# Altium PCB PCB1_backup1.PcbDoc (part 2 of 2)
Units mil, origin at the board's own origin, x right, y up, seen from the top; angles counter-clockwise.
Board outline 1500 x 3220 mil, 4 copper layers (Top Layer, Int1 (GND), Int2 (GND), Bottom Layer), stack 53.912 mil thick; 81 components, 45 nets, 261 pads, 80 vias.
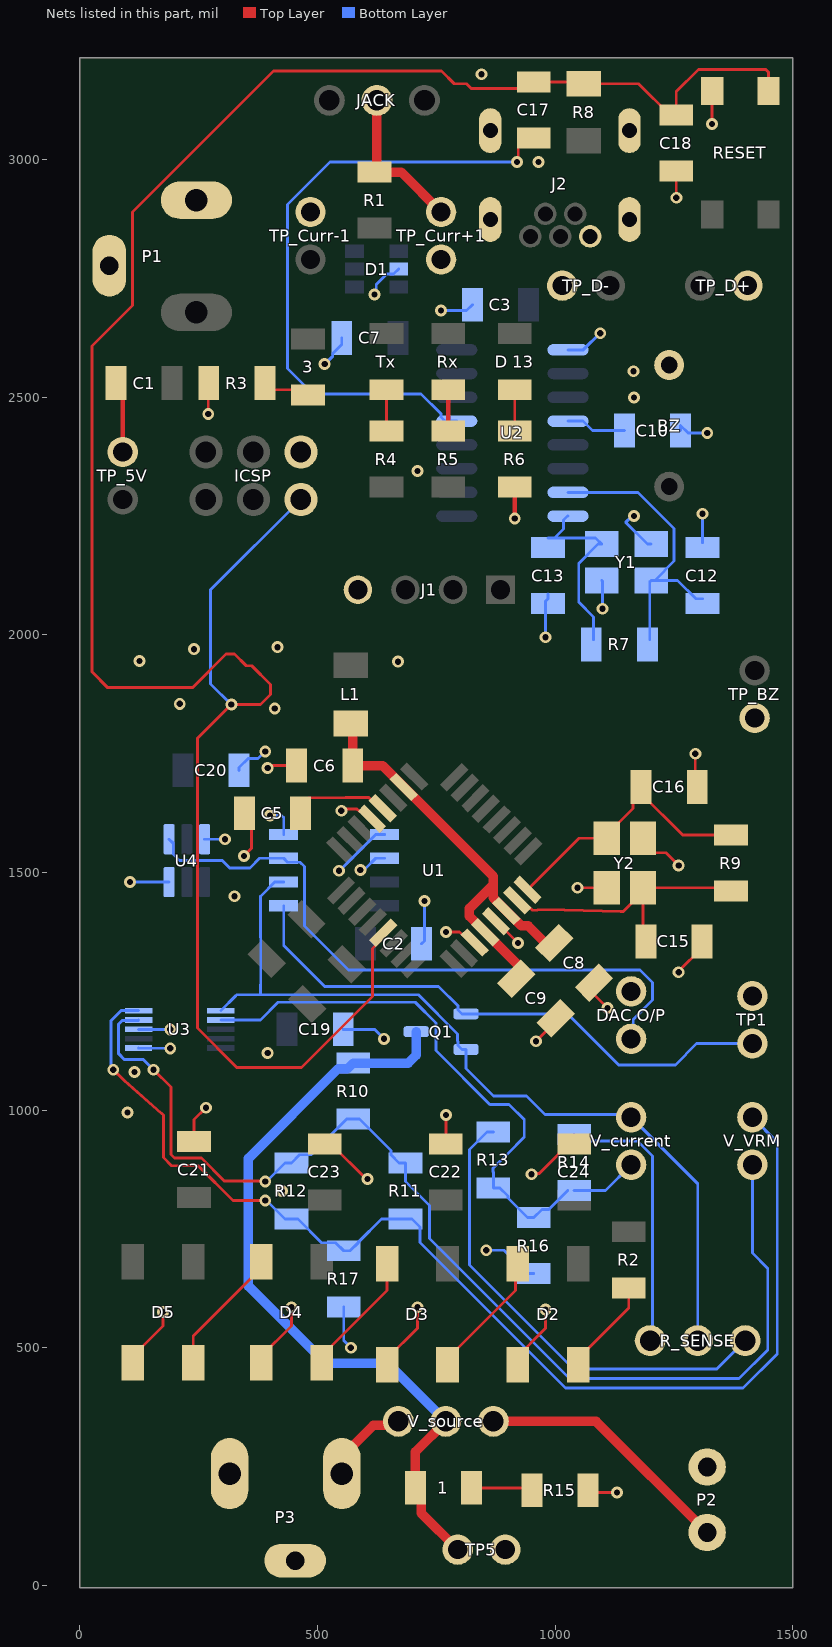
[diagram p4: the nets of this part, all layers, seen from the top]

## Via types
v1: diameter 25, hole 13, Top Layer to Bottom Layer, 80 vias

## Nets (pads, with @x,y where several pads share a name; then routed paths per layer and width w, separated by ;. In a path a pad name is that pad's centre, name@x,y a point inside that pad or via, vN(x,y) a via of type N, cw(c..) or ccw(c..) an arc to the next point about the centre after c; other vN are vias at no path point) (continued)
GND: "DAC O/P.2" ?.4 ?.5 ?.6 BZ.1 C1.1 C2.2 C3.1 C5.2 C6.1 C7.2 C8.1 C9.1 C10.2 C12.1 C13.1 C15.1 C16.1 C18.1 C19.2 C20.2 C21.2 C22.2 C23.2 C24.2 D1.2 D2.3 D3.3 D4.3 D5.3 ICSP.6 J1.04 J2.5 J2.6 J2.7 J2.8 J2.9 P1.2 P1.3 P2.2 P3.2 P3.3 R3.1 R6.1 R15.1 R16.1 R17.2 RESET.2 TP1.2 TP5.2 TP_5V.2 TP_BZ.1 TP_Curr+1.1 TP_Curr-1.2 TP_D+.2 TP_D-.2 U1.3 U1.5 U1.21 U2.1 U3.1 U3.3 U4.3 U4.6 Y1.2 Y1.4 Y2.2 Y2.4 | length 3936.9
  Top Layer w6: D5.3@111.5,468.7 111.5,482.35 175,545.85 v1(175,575) ; C21.2@240,934 240,980 v1(265,1005) ; v1(270,2465) 270,2529 R3.1@271,2530 ; v1(345,1535) 360.93,1550.93 360.93,1594.5 345.35,1610.07 C5.2@345.07,1610.07 ; C5.2@346,1611.5 C5.2@346,1625 ; D4.3@381.5,468.7 381.5,482.35 445,545.85 v1(445,585) ; v1(395,1720) 399.06,1720 404.06,1725 C6.1@456,1725 ; C23.2@515,929 528.5,929 602.5,855 v1(605,855) ; v1(550,1630) 553.64,1633.64 570.78,1633.64 571.1,1633.95 582.1,1633.95 588.74,1628.73 U1.21@614.54,1612.84 ; D3.3@646.5,463.7 646.5,477.35 710,540.85 v1(710,585) ; C22.2@770,929 v1(770,990) ; v1(770,1375) 798.63,1375 805.12,1368.51 809.01,1372.4 U1.3@830.92,1352.62 ; U1.5@875.46,1397.16 876.17,1397.16 v1(921.67,1351.67) ; D2.3@916.5,463.7 916.5,477.35 980,540.85 v1(980,580) ; v1(950,865) 951.7,866.7 966.7,866.7 1007.5,907.5 1007.5,910 1026.5,929 C24.2@1040,929 ; v1(960,1145) 1001.72,1186.72 C9.1@1001.72,1193.28 ; v1(1047.09,1468.03) Y2.4@1108.78,1468.03 ; R15.1@1070,199 1074,195 v1(1130,195) ; C8.1@1081.72,1268.28 1072.17,1258.73 1072.17,1252.83 v1(1110,1215) ; Y2.2@1185.16,1571.97 1185.16,1564.09 1207.72,1541.54 1233.46,1541.54 v1(1260,1515) ; v1(1255,2920) C18.1@1255,2976 ; v1@1260,1292.5 C15.1@1309,1341.5 ; v1(1295,1750) 1295,1697.5 C16.1@1299,1693.5 ; v1(1330,3075) 1330,3143.98 RESET.2@1330.94,3144.92
  Top Layer w10: P1.3@60.96,2776.24 P1.3@61.93,2777.2 ; C1.1@76,2530 90,2516 TP_5V.2@90,2385 ; v1(915,2245) R6.1@915,2311 ; R15.1@1069,200 R15.1@1070,199 ; v1(1260,1290) v1@1260,1292.5 ; C16.1@1299,1680 C16.1@1299,1693.5 ; C15.1@1309,1341.5 C15.1@1309,1355
  Bottom Layer w6: v1(105,1480) 187.52,1480 U4.6@187.6,1479.92 ; U3.1@123.39,1130.63 123.7,1130.32 189.68,1130.32 v1(190,1130) ; U3.3@123.39,1170 v1(190,1170) ; U4.3@262.4,1570.08 262.48,1570 v1(305,1570) ; C20.2@335,1715 335,1720.8 354,1739.8 374.8,1739.8 v1(390,1755) ; v1(400,1620) 424.36,1620 428.7,1615.66 ?.4@428.7,1580 ; v1(515,2570) 515.59,2570 532,2586.41 532,2592.5 551,2611.5 C7.2@551,2625 ; v1(544.84,1503.64) 546.23,1503.64 622.6,1580 ?.5@641.3,1580 ; C19.2@554,1170 620,1170 v1(640,1150) ; R17.2@555,586 555,515.41 570,500.41 v1(570,500) ; v1(590,1505) 593.64,1508.64 601.23,1508.64 622.6,1530 ?.6@641.3,1530 ; v1(620,2716.76) 623.64,2720.4 623.64,2737.32 645.7,2759.38 660.15,2759.38 D1.2@670.77,2770 ; C2.2@719,1350 725,1356 v1(725,1440) ; v1(760,2682.47) 813.47,2682.47 C3.1@826,2695 ; v1(855,705) 892.5,705 941.5,656 R16.1@955,656 ; v1(980,1995) 980,2071 985,2076 C13.1@985,2086 ; U2.1@1027,2600 1059.15,2600 1094.15,2635 v1(1095,2635) ; v1@1096.7,2057.87 1096.7,2060.36 v1@1096.7,2060.8 ; Y1.2@1098.03,2114.84 1100,2112.87 v1(1100,2055) ; v1(1166,2250) 1161.64,2250 1148.64,2236.99 1148.64,2236.68 1194.09,2191.22 Y1.4@1201.97,2191.22 ; C10.2@1264,2430 1264,2441 1280,2425 v1(1320,2425) ; C12.1@1310,2194 v1(1310,2255)
  other v1: 425,830 100,995 115,1080 395,1120 325,1450 410,1845 210,1855 669.35,1943.7 125,1945 240,1970 415.78,1974.22 710,2345 1166,2500 1165,2555 965,2995 845,3180
Net1_2: 1.2 R15.2 | length 129.1
  Top Layer w6: 1.2@824,205 946,205 R15.2@951,200
Net3_2: 3.2 R3.2 | length 126.8
  Top Layer w6: R3.2@403,2516 3.2@510,2516
  Top Layer w10: R3.2@389,2530 R3.2@403,2516
Net_1: ?.1 Q1.1 TP1.1 | length 1167.7
  Bottom Layer w6: ?.1@428.7,1430 428.7,1346.3 515,1260 754.76,1260 795.26,1219.5 795.26,1210.8 803.66,1202.4 1026.59,1202.4 1133.88,1095.11 1252.94,1095.11 1297.83,1140 TP1.1@1385,1140
Net_3: "DAC O/P.1" ?.3 U4.1 | length 1382.8
  Bottom Layer w6: U4.1@187.6,1570.08 196.21,1561.46 196.21,1538.88 209.7,1525.39 299.32,1525.39 315.21,1509.5 357.56,1509.5 378.06,1530 ?.3@428.7,1530 437.08,1521.62 463.38,1521.62 472.21,1512.79 472.21,1387.79 565,1295 1178.48,1295 1204.89,1268.59 1204.89,1231.41 1164.37,1190.89 1164.37,1154.37 1160,1150
NetC5_1: C5.1 U1.20 | length 201.1
  Top Layer w6: C5.1@464,1625 483,1657.5 559.36,1657.87 607.68,1657.87 630.09,1635.46 U1.20@637.16,1635.46
NetC6_2: C6.2 C8.2 C9.2 L1.2 U1.4 U1.6 U1.18 | length 961.2
  Top Layer w20: L1.2@570,1813.5 574,1809.5 C6.2@574,1725 636.72,1725 869.97,1491.75 869.97,1474.97 ; C9.2@918.28,1276.72 925.98,1284.42 925.98,1301.39 819.47,1407.9 819.47,1424.47 869.97,1474.97 ; C8.2@993.28,1341.72 989.24,1341.72 943.46,1387.5 928.97,1387.5 U1.6@897.38,1419.08 869.97,1446.49 869.97,1474.97
NetC10_1: C10.1 U2.4 | length 127.3
  Bottom Layer w6: U2.4@1027,2450 1058.31,2450 1078.31,2430 C10.1@1146,2430
NetC12_2: C12.2 R7.1 U2.7 Y1.1 | length 631.1
  Bottom Layer w6: U2.7@1027,2300 1174.57,2300 1250.4,2224.16 1250.4,2155.4 Y1.1@1209.84,2114.84 ; R7.1@1199,1990 1199,2111.87 Y1.1@1201.97,2114.84 Y1.1@1209.84,2114.84 ; C12.2@1310,2076 1296.5,2076 1257.66,2114.84 Y1.1@1209.84,2114.84
NetC13_2: C13.2 R7.2 U2.8 Y1.3 | length 415.7
  Bottom Layer w6: C13.2@985,2204 C13.2@998.5,2204 ; U2.8@1027,2250 1025.81,2250 1017.5,2241.69 1017.5,2223 C13.2@998.5,2204 ; R7.2@1081,1990 1081,2037.94 1049.6,2069.34 1049.6,2150.66 1090.16,2191.22 Y1.3@1098.03,2191.22 1085.25,2204 C13.2@998.5,2204
NetC15_2: C15.2 R9.1 U1.7 Y2.1 | length 592.4
  Top Layer w6: U1.7@920.01,1441.71 945.81,1425.82 952.44,1420.59 959.51,1420.59 cw(c966.39,1396.04) 966.54,1421.54 1019.84,1421.38 1137.63,1417.6 1142.6,1417.6 1144.36,1419.36 Y2.1@1185.16,1460.16 ; C15.2@1191,1355 1185.16,1360.84 Y2.1@1185.16,1460.16 ; R9.1@1370,1461 1362.97,1468.03 Y2.1@1185.16,1468.03 Y2.1@1185.16,1460.16
NetC16_2: C16.2 R9.2 U1.8 Y2.3 | length 588.4
  Top Layer w6: U1.8@941.93,1463.63 1050.27,1571.97 Y2.3@1108.78,1571.97 1108.78,1579.84 1164,1635.06 1164,1663 C16.2@1181,1680 1181,1666.5 1268.5,1579 R9.2@1370,1579
NetD2_2: D2.2 D3.4 | length 271.8
  Top Layer w6: D3.4@773.5,463.7 773.5,477.35 916.5,620.35 D2.2@916.5,676.3
NetD2_4: D2.4 R2.1 | length 206.4
  Top Layer w6: D2.4@1048.5,463.7 1048.5,477.35 1155,583.85 R2.1@1155,626
NetD3_2: D3.2 D4.4 | length 264.8
  Top Layer w6: D4.4@508.5,468.7 508.5,482.35 646.5,620.35 D3.2@646.5,676.3
NetD4_2: D4.2 D5.4 | length 271.8
  Top Layer w6: D5.4@238.5,468.7 238.5,524.65 381.5,667.65 D4.2@381.5,681.3
NetLED1_2: "D 13.2" R6.2 | length 87
  Top Layer w6: R6.2@915,2429 915,2516
NetP2_1: P2.1 V_source.1 | length 546.9
  Top Layer w20: V_source.1@870,345 1086.1,345 P2.1@1320,111.1
NetP3_1: P3.1 V_source.3 | length 185.1
  Top Layer w20: P3.1@551.22,235 551.22,270.43 617.18,336.4 661.4,336.4 V_source.3@670,345
NetR1_2: JACK.2 R1.2 TP_Curr+1.2 | length 327.9
  Top Layer w20: JACK.2@625,3125 625,2979 R1.2@620,2974 676,2974 TP_Curr+1.2@760,2890
NetR4_2: R4.2 Tx.1 | length 87
  Top Layer w6: R4.2@645,2429 Tx.1@645,2516
NetR5_2: R5.2 Rx.1 | length 87
  Top Layer w10: R5.2@775,2429 Rx.1@775,2516
NetR13_2: R13.2 R_SENSE.3 | length 1005
  Bottom Layer w6: R13.2@870,954 856.5,954 819.5,917 819.5,673.78 1038.28,455 1340,455 R_SENSE.3@1400,515
NetR14_1: R14.1 R_SENSE.1 | length 574.3
  Bottom Layer w6: R14.1@1040,949 1054,935 1173.48,935 1204.89,903.59 1204.89,519.89 R_SENSE.1@1200,515
RESET_CH340: C17.1 U2.13 | length 1344.5
  Top Layer w6: v1(920,2995) 922.5,2997.5 922.5,3027 941.5,3046 C17.1@955,3046
  Bottom Layer w6: U2.13@793,2450 767.81,2450 759.5,2458.31 759.5,2465.5 718,2507 490.47,2507 437,2560.47 437,2905.48 526.52,2995 v1(920,2995)
RESET_PIN: C17.2 C18.2 ICSP.3 R8.1 RESET.4 U1.29 | length 5028.6
  Top Layer w6: U1.29@638.53,1373.17 638.53,1363.27 615.38,1340.12 615.38,1239.32 466.06,1090 330,1090 247.5,1172.5 247.5,1782.5 v1(318.5,1853.5) 380.06,1853.5 401,1874.44 401,1895.56 361.56,1935 350,1935 325.25,1959.75 307.38,1959.75 236.63,1889 58.37,1889 25,1922.37 25,2608.13 110.36,2693.49 110.36,2889.86 406.98,3186.48 761.15,3186.48 787.63,3160 813.36,3160 823.36,3150 941,3150 C17.2@955,3164 1056.04,3164 R8.1@1060,3160.04 1175.46,3160.04 1241.5,3094 C18.2@1255,3094 1255,3143.34 1301.66,3190 1443.2,3190 1449.06,3184.14 RESET.4@1449.06,3144.92
  Bottom Layer w6: v1(318.5,1853.5) 275,1897 275,2095 ICSP.3@465,2285
V_curr+: ?.2 Q1.2 R_SENSE.2 U3.6 V_current.2 | length 1817.4
  Bottom Layer w6: U3.6@296.61,1209.37 327.89,1240.64 329.48,1242.24 339.12,1242.89 380,1242.89 ; ?.2@428.7,1480 410,1480 381.76,1451.76 380,1450 380,1445.03 380.5,1280.08 cw(c355,1280) 380.5,1279.55 380,1251.37 380,1242.89 ; R_SENSE.2@1300,515 1300,845 V_current.2@1160,985 1154,991 979,991 940,1030 870,1030 812.36,1087.64 Q1.2@812.36,1127.6 803.66,1127.6 795.26,1136 795.26,1144.7 794.76,1145.2 794.76,1160.24 712.11,1242.89 380,1242.89
V_curr-: R13.1 R14.2 R16.2 U3.7 V_current.1 | length 1311.8
  Bottom Layer w6: U3.7@296.61,1189.68 379.68,1189.68 416.89,1226.89 705.49,1226.89 749,1183.37 749,1125.54 862.54,1012 903,1012 935,980 935,943.12 900.72,908.84 869.5,877.62 869.5,869.94 870,869.44 R13.1@870,836 883.5,836 900.5,819 900.5,815 941.5,774 R16.2@955,774 972,791 986.5,791 R14.2@1026.5,831 ; R14.2@1040,831 1106,831 V_current.1@1160,885
V_Source: 1.1 Q1.3 R10.2 TP5.1 V_source.2 | length 1628
  Top Layer w20: V_source.2@770,345 706,281 1.1@706,205 718,193 718,152 TP5.1@795,75
  Bottom Layer w20: Q1.3@707.64,1165 707.64,1115.83 690.8,1099 R10.2@575,1099 563,1087 543.04,1087 354.5,898.46 354.5,629.54 516.54,467.5 647.5,467.5 V_source.2@770,345
V_VRM+: R10.1 R11.2 R12.2 U3.4 V_VRM.1 | length 2446.2
  Top Layer w6: v1(155,1085) 191.5,1048.5 191.5,938.65 191.5,906.62 199.12,899 231.15,899 255.51,899 303.51,851 389,851 v1(390,850)
  Bottom Layer w6: U3.4@123.39,1189.68 122.61,1188.91 89.06,1188.91 81.45,1181.29 81.45,1118.55 93.16,1106.84 133.16,1106.84 v1(155,1085) ; v1(390,850) 392.5,850 431.5,889 R12.2@445,889 462,906 486.5,906 561.5,981 R10.1@575,981 588.5,981 654.5,915 654.5,906 671.5,889 R11.2@685,889 685,849.71 735.5,799.21 735.5,729.5 1030,435 1387.15,435 1447.48,495.33 1447.48,666.65 1415,699.13 V_VRM.1@1415,885
V_VRM-: R11.1 R12.1 R17.1 U3.5 V_VRM.2 | length 2521.2
  Top Layer w6: v1(70,1085) 92.08,1063.19 ccw(c110,1081.34) 93.18,1062.17 171.95,993.03 172.23,992.77 175.5,989.5 175.5,899.99 192.49,883 224.53,883 248.88,883 321.88,810 v1(390,810)
  Bottom Layer w6: v1(70,1085) 70,1090.14 65.45,1094.69 65.45,1187.92 86.9,1209.37 U3.5@123.39,1209.37 ; v1(390,810) 392.5,810 431.5,771 R12.1@445,771 458.5,771 508.5,721 538,721 R17.1@555,704 568.5,704 585.5,721 585.5,722 634.5,771 R11.1@685,771 698.5,771 715.5,754 715.5,721.22 1021.72,415 1395.43,415 1467.48,487.05 1467.48,932.52 V_VRM.2@1415,985
pads on no net: ?.7 D1.4 D1.6 D5.2 J2.4 RESET.1 RESET.3 U1.2 U1.9 U1.10 U1.11 U1.12 U1.13 U1.14 U1.19 U1.22 U1.23 U1.24 U1.25 U1.26 U2.9 U2.10 U2.11 U2.12 U2.14 U2.15 U3.2

## Polygon pours and split planes (outlines as drawn)
GND on Int1 (GND) "GND_L02_P001" (solid, pour order 1): 0,3215 1500,3215 1500,-5 0,-5
GND on Int2 (GND) "GND_L03_P002" (solid, pour order 2): 0,3215 0,-5 1500,-5 1500,3215

## Keep-outs
Keep-Out Layer:
  lines w20: 0,-5 1500,-5 ; 0,-5 0,3215 ; 0.01,-5 1500,-5 ; 0.01,-5 0.01,3215 ; 0,3215 1500,3215 ; 0.01,3215 1500,3215 ; 1500,-5 1500,3215 ; 1500,-5 1500,3215

## Other copper
Top Layer:
  region: 1037.07,1754.33 1037.07,1754.58 1037.33,1754.58 1037.33,1754.33
  region: 931.12,1813.95 931.12,1813.7 930.87,1813.7 930.87,1813.95 930.62,1813.95 930.62,1814.2 931.12,1814.2
  region: 1029.56,1743.81 1029.31,1743.81 1029.31,1744.06 1029.56,1744.06
  region: 1039.08,1757.09 1039.08,1757.34 1039.33,1757.34 1039.33,1756.59 1038.83,1756.59 1038.83,1757.09
  region: 1010.02,1751.33 1010.02,1751.58 1010.27,1751.58 1010.27,1751.08 1010.02,1751.08
  region: 951.41,1815.95 951.41,1816.2 951.66,1816.2 951.66,1815.95
  region: 940.14,1831.48 939.89,1831.48 939.89,1831.73 940.14,1831.73
  region: 910.09,1801.67 910.34,1801.67 910.34,1801.92 910.59,1801.92 910.59,1801.42 910.84,1801.42 910.84,1801.17 910.34,1801.17 910.34,1801.42 910.09,1801.42
  region: 935.88,1787.9 935.38,1787.9 935.38,1788.4 935.63,1788.4 935.63,1788.65 936.13,1788.65 936.13,1788.15 935.88,1788.15
  region: 1038.33,1755.84 1038.33,1755.59 1038.08,1755.59 1038.08,1755.84
  region: 911.59,1799.92 911.59,1799.17 911.34,1799.17 911.34,1799.42 911.09,1799.42 911.09,1799.92 911.34,1799.92
  region: 925.86,1814.45 925.86,1814.2 925.36,1814.2 925.36,1814.7 925.61,1814.7 925.61,1814.95 926.12,1814.95 926.12,1814.45
  region: 931.88,1812.69 931.88,1812.94 931.38,1812.94 931.38,1813.19 932.13,1813.19 932.13,1812.69
  region: 919.85,1829.48 920.86,1829.48 920.86,1828.97 920.6,1828.97 920.6,1828.72 920.1,1828.72 920.1,1828.97 919.85,1828.97 919.85,1829.22
  region: 951.16,1800.17 951.41,1800.17 951.41,1799.92 951.16,1799.92
  region: 1034.07,1749.32 1033.82,1749.32 1033.82,1749.57 1034.07,1749.57
  region: 1009.02,1750.58 1009.52,1750.58 1009.52,1750.33 1009.02,1750.33
  region: 933.63,1813.7 933.63,1813.95 934.13,1813.95 934.13,1813.45 933.88,1813.45 933.88,1813.19 933.63,1813.19 933.63,1813.45
  region: 948.66,1822.71 948.66,1822.96 948.91,1822.96 948.91,1822.46 948.66,1822.46
  region: 933.88,1775.62 933.88,1774.87 933.63,1774.87 933.63,1775.62
  region: 930.62,1785.64 929.87,1785.64 929.87,1785.89 929.62,1785.89 929.62,1786.14 930.87,1786.14 930.87,1785.64
  region: 1003.76,1750.83 1003.76,1750.58 1003.51,1750.58 1003.51,1750.83
  region: 932.13,1785.14 932.63,1785.14 932.63,1785.39 932.88,1785.39 932.88,1784.89 932.13,1784.89
  region: 912.84,1799.42 912.59,1799.42 912.59,1800.17 912.84,1800.17 912.84,1799.67
  region: 929.37,1814.45 929.37,1814.7 929.87,1814.7 929.87,1814.45 929.62,1814.45
  region: 1022.05,1747.57 1022.55,1747.57 1022.55,1747.32 1022.05,1747.32
  region: 933.38,1785.39 932.88,1785.39 932.88,1785.64 933.38,1785.64
  region: 1031.31,1759.84 1031.06,1759.84 1031.06,1760.6 1031.31,1760.6 1031.31,1760.09
  region: 933.38,1785.64 933.38,1786.14 933.63,1786.14 933.63,1786.39 934.13,1786.39 934.13,1785.89 933.88,1785.89 933.88,1785.64 933.63,1785.64
  region: 942.9,1809.69 942.9,1809.94 943.15,1809.94 943.15,1809.44 942.65,1809.44 942.65,1809.69
  region: 935.38,1816.45 935.38,1816.7 935.63,1816.7 935.63,1816.95 935.88,1816.95 935.88,1816.45 935.63,1816.45
  region: 1042.33,1762.1 1042.33,1761.6 1042.08,1761.6 1042.08,1762.1
  region: 1008.77,1748.82 1008.77,1749.07 1009.02,1749.07 1009.02,1748.82
  region: 935.38,1770.11 935.38,1769.61 934.88,1769.61 934.88,1769.86 934.63,1769.86 934.63,1770.61 935.38,1770.61 935.38,1770.36
  region: 1029.56,1757.09 1029.56,1756.84 1029.31,1756.84 1029.31,1756.59 1029.06,1756.59 1029.06,1757.09 1029.31,1757.09 1029.31,1757.34 1029.81,1757.34 1029.81,1757.09
  region: 1010.77,1750.83 1011.28,1750.83 1011.28,1750.33 1010.77,1750.33 1010.77,1750.58
  region: 942.65,1827.97 942.65,1828.22 943.15,1828.22 943.15,1827.72 942.65,1827.72
  region: 932.38,1786.64 932.63,1786.64 932.63,1786.14 932.13,1786.14 932.13,1786.64
  region: 950.16,1799.42 949.91,1799.42 949.91,1799.67 950.16,1799.67
  region: 911.59,1800.92 911.34,1800.92 911.34,1800.67 910.84,1800.67 910.84,1801.17 911.34,1801.17 911.34,1801.42 912.09,1801.42 912.09,1801.17 912.34,1801.17 912.34,1800.42 911.84,1800.42 911.84,1800.67 911.59,1800.67
  region: 936.64,1820.21 936.64,1819.46 936.13,1819.46 936.13,1820.46 936.64,1820.46
  region: 1039.83,1758.09 1039.83,1757.84 1039.58,1757.84 1039.58,1758.34 1039.83,1758.34
  region: 956.42,1742.31 956.92,1742.31 956.92,1742.06 957.42,1742.06 957.42,1741.81 957.93,1741.81 957.93,1741.56 958.18,1741.56 958.18,1741.31 958.68,1741.31 958.68,1741.06 958.93,1741.06 958.93,1740.81 959.18,1740.81 959.18,1740.56 959.43,1740.56 959.43,1740.31 959.68,1740.31 959.68,1740.06 959.93,1740.06 959.93,1739.81 960.18,1739.81 960.18,1739.56 960.43,1739.56 960.43,1739.31 960.68,1739.31 960.68,1739.05 960.93,1739.05 960.93,1738.8 961.18,1738.8 961.18,1738.55 961.43,1738.55 961.43,1738.3 961.68,1738.3 961.68,1737.8 961.93,1737.8 961.93,1736.55 961.68,1736.55 961.68,1736.3 961.43,1736.3 961.43,1736.05 961.18,1736.05 961.18,1735.8 960.43,1735.8 960.43,1735.55 959.93,1735.55 959.93,1735.3 958.68,1735.3 958.68,1735.55 957.67,1735.55 957.67,1735.8 956.67,1735.8 956.67,1736.05 956.17,1736.05 956.17,1736.3 955.67,1736.3 955.67,1736.55 955.17,1736.55 955.17,1736.8 954.92,1736.8 954.92,1737.05 954.67,1737.05 954.67,1737.3 954.42,1737.3 954.42,1737.55 954.17,1737.55 954.17,1737.8 953.92,1737.8 953.92,1738.05 953.67,1738.05 953.67,1738.3 953.42,1738.3 953.42,1738.8 953.17,1738.8 953.17,1739.31 952.92,1739.31 952.92,1739.56 952.67,1739.56 952.67,1741.06 952.92,1741.06 952.92,1741.31 953.17,1741.31 953.17,1741.56 953.42,1741.56 953.42,1741.81 953.92,1741.81 953.92,1742.06 954.42,1742.06 954.42,1742.31 955.17,1742.31 955.17,1742.56 956.42,1742.56 hole: 955.92,1740.31 955.17,1740.31 955.17,1740.06 954.92,1740.06 954.92,1739.56 955.17,1739.56 955.17,1739.31 955.42,1739.31 955.42,1739.05 955.67,1739.05 955.67,1738.8 956.17,1738.8 956.17,1738.55 956.42,1738.55 956.42,1738.3 956.67,1738.3 956.67,1738.05 957.17,1738.05 957.17,1737.8 957.67,1737.8 957.67,1737.55 959.68,1737.55 959.68,1737.8 959.68,1738.05 959.43,1738.05 959.43,1738.3 959.18,1738.3 959.18,1738.8 958.93,1738.8 958.93,1739.05 958.68,1739.05 958.68,1739.31 958.18,1739.31 958.18,1739.56 957.67,1739.56 957.67,1739.81 957.17,1739.81 957.17,1740.06 955.92,1740.06
  region: 970.2,1762.6 971.45,1762.6 971.45,1762.35 972.2,1762.35 972.2,1762.1 972.7,1762.1 972.7,1761.85 973.2,1761.85 973.2,1761.6 973.71,1761.6 973.71,1761.35 973.96,1761.35 973.96,1761.1 974.46,1761.1 974.46,1760.85 974.71,1760.85 974.71,1760.6 974.96,1760.6 974.96,1760.34 975.21,1760.34 975.21,1760.09 975.46,1760.09 975.46,1759.84 975.71,1759.84 975.71,1759.34 975.96,1759.34 975.96,1759.09 976.21,1759.09 976.21,1758.84 976.46,1758.84 976.46,1758.34 976.71,1758.34 976.71,1757.84 976.96,1757.84 976.96,1757.34 977.21,1757.34 977.21,1755.59 976.96,1755.59 976.96,1755.09 976.71,1755.09 976.71,1754.83 976.46,1754.83 976.46,1754.58 976.21,1754.58 976.21,1754.33 975.71,1754.33 975.71,1754.08 973.45,1754.08 973.45,1754.33 972.7,1754.33 972.7,1754.58 972.2,1754.58 972.2,1754.83 971.95,1754.83 971.95,1755.09 971.7,1755.09 971.7,1755.34 971.45,1755.34 971.45,1755.59 970.95,1755.59 970.95,1755.84 970.7,1755.84 970.7,1756.09 970.45,1756.09 970.45,1756.34 970.2,1756.34 970.2,1756.59 969.95,1756.59 969.95,1756.84 969.7,1756.84 969.7,1757.09 969.45,1757.09 969.45,1757.34 969.2,1757.34 969.2,1757.84 968.95,1757.84 968.95,1758.09 968.7,1758.09 968.7,1758.59 968.45,1758.59 968.45,1759.34 968.19,1759.34 968.19,1761.35 968.45,1761.35 968.45,1761.85 968.7,1761.85 968.7,1762.1 968.95,1762.1 968.95,1762.35 969.45,1762.35 969.45,1762.6 969.95,1762.6 969.95,1762.85 970.2,1762.85 hole: 971.45,1760.6 970.7,1760.6 970.7,1760.34 970.45,1760.34 970.45,1759.84 970.7,1759.84 970.7,1759.09 970.95,1759.09 970.95,1758.59 971.2,1758.59 971.2,1758.34 971.45,1758.34 971.45,1757.84 971.7,1757.84 971.7,1757.59 971.95,1757.59 971.95,1757.34 972.2,1757.34 972.2,1757.09 972.45,1757.09 972.45,1756.84 972.95,1756.84 972.95,1756.59 973.71,1756.59 973.71,1756.34 974.96,1756.34 974.96,1757.34 974.71,1757.34 974.71,1757.84 974.46,1757.84 974.46,1758.09 974.21,1758.09 974.21,1758.59 973.96,1758.59 973.96,1758.84 973.71,1758.84 973.71,1759.09 973.45,1759.09 973.45,1759.34 973.2,1759.34 973.2,1759.59 972.95,1759.59 972.95,1759.84 972.45,1759.84 972.45,1760.09 972.2,1760.09 972.2,1760.34 971.45,1760.34
  region: 182 vertices and 1 holes, not listed, extent 921.86,1787.4 937.39,1813.7
  region: 207 vertices and 1 holes, not listed, extent 946.65,1823.97 962.18,1841.5
  region: 2049 vertices and 45 holes, not listed, extent 902.32,1720.77 1065.88,1962.23
  region: 965.19,1867.05 966.44,1867.05 966.44,1866.8 967.19,1866.8 967.19,1866.55 967.44,1866.55 967.44,1866.29 967.94,1866.29 967.94,1866.04 968.19,1866.04 968.19,1865.79 968.45,1865.79 968.45,1865.54 968.7,1865.54 968.7,1865.29 968.95,1865.29 968.95,1864.54 969.2,1864.54 969.2,1863.04 968.95,1863.04 968.95,1862.54 968.7,1862.54 968.7,1862.04 968.45,1862.04 968.45,1861.79 968.19,1861.79 968.19,1861.54 967.94,1861.54 967.94,1861.29 967.69,1861.29 967.69,1861.03 967.44,1861.03 967.44,1860.78 966.69,1860.78 966.69,1860.53 966.19,1860.53 966.19,1860.28 965.19,1860.28 965.19,1860.03 962.93,1860.03 962.93,1860.28 962.18,1860.28 962.18,1860.53 961.93,1860.53 961.93,1860.78 961.18,1860.78 961.18,1861.03 960.93,1861.03 960.93,1861.29 960.68,1861.29 960.68,1861.54 960.43,1861.54 960.43,1861.79 960.18,1861.79 960.18,1862.29 959.93,1862.29 959.93,1862.79 959.68,1862.79 959.68,1864.04 959.93,1864.04 959.93,1864.54 960.18,1864.54 960.18,1865.04 960.43,1865.04 960.43,1865.29 960.68,1865.29 960.68,1865.54 960.93,1865.54 960.93,1865.79 961.18,1865.79 961.18,1866.04 961.43,1866.04 961.43,1866.29 961.93,1866.29 961.93,1866.55 962.18,1866.55 962.18,1866.8 963.44,1866.8 963.44,1867.05 964.19,1867.05 964.19,1867.3 965.19,1867.3 hole: 965.44,1865.54 964.69,1865.54 964.69,1865.29 964.19,1865.29 964.19,1865.04 963.69,1865.04 963.69,1864.79 962.93,1864.79 962.93,1864.54 962.43,1864.54 962.43,1864.04 962.18,1864.04 962.18,1862.79 962.43,1862.79 962.43,1862.54 963.19,1862.54 963.19,1862.29 963.69,1862.29 963.69,1862.04 965.19,1862.04 965.19,1862.29 965.69,1862.29 965.69,1862.54 966.44,1862.54 966.44,1862.79 966.69,1862.79 966.69,1863.04 966.94,1863.04 966.94,1863.54 967.19,1863.54 967.19,1863.79 966.94,1863.79 966.94,1864.54 966.69,1864.54 966.69,1864.79 966.44,1864.79 966.44,1865.04 965.94,1865.04 965.94,1865.29 965.44,1865.29
  region: 1038.83,1808.69 1039.58,1808.69 1039.58,1808.44 1039.83,1808.44 1039.83,1808.19 1040.08,1808.19 1040.08,1807.93 1040.33,1807.93 1040.33,1807.68 1040.58,1807.68 1040.58,1807.43 1040.83,1807.43 1040.83,1806.93 1041.08,1806.93 1041.08,1806.18 1041.33,1806.18 1041.33,1805.43 1041.58,1805.43 1041.58,1804.68 1041.83,1804.68 1041.83,1803.68 1041.83,1803.43 1041.83,1800.92 1041.58,1800.92 1041.58,1800.42 1041.33,1800.42 1041.33,1800.17 1041.08,1800.17 1041.08,1799.42 1040.83,1799.42 1040.83,1799.17 1040.58,1799.17 1040.58,1798.92 1040.33,1798.92 1040.33,1798.67 1040.08,1798.67 1040.08,1798.42 1039.83,1798.42 1039.83,1798.17 1038.83,1798.17 1038.83,1797.92 1038.33,1797.92 1038.33,1798.17 1037.33,1798.17 1037.33,1798.42 1037.07,1798.42 1037.07,1798.67 1036.82,1798.67 1036.82,1798.92 1036.32,1798.92 1036.32,1799.42 1036.07,1799.42 1036.07,1799.92 1035.82,1799.92 1035.82,1800.67 1035.57,1800.67 1035.57,1801.42 1035.32,1801.42 1035.32,1801.92 1035.07,1801.92 1035.07,1802.93 1034.82,1802.93 1034.82,1803.43 1034.57,1803.43 1034.57,1803.93 1034.82,1803.93 1034.82,1804.43 1035.07,1804.43 1035.07,1805.18 1035.32,1805.18 1035.32,1805.68 1035.57,1805.68 1035.57,1806.43 1035.82,1806.43 1035.82,1806.93 1036.07,1806.93 1036.07,1807.43 1036.32,1807.43 1036.32,1807.68 1036.57,1807.68 1036.57,1808.19 1036.82,1808.19 1036.82,1808.44 1037.07,1808.44 1037.07,1808.69 1037.83,1808.69 1037.83,1808.94 1038.83,1808.94 hole: 1038.83,1806.43 1038.08,1806.43 1038.08,1806.18 1037.83,1806.18 1037.83,1805.68 1037.58,1805.68 1037.58,1804.93 1037.33,1804.93 1037.33,1804.43 1037.07,1804.43 1037.07,1802.17 1037.33,1802.17 1037.33,1801.42 1037.58,1801.42 1037.58,1800.92 1037.83,1800.92 1037.83,1800.67 1038.08,1800.67 1038.08,1800.42 1038.33,1800.42 1038.33,1800.17 1038.83,1800.17 1038.83,1800.42 1039.08,1800.42 1039.08,1800.67 1039.33,1800.67 1039.33,1800.92 1039.58,1800.92 1039.58,1801.42 1039.83,1801.42 1039.83,1804.93 1039.58,1804.93 1039.58,1805.43 1039.33,1805.43 1039.33,1805.68 1039.08,1805.68 1039.08,1806.18 1038.83,1806.18
  region: 935.13,1787.4 934.88,1787.4 934.88,1787.65 935.13,1787.65
  region: 1057.61,1807.43 1058.11,1807.43 1058.11,1807.18 1058.36,1807.18 1058.36,1806.93 1058.62,1806.93 1058.62,1806.68 1058.87,1806.68 1058.87,1806.43 1059.12,1806.43 1059.12,1805.93 1059.37,1805.93 1059.37,1805.43 1059.62,1805.43 1059.62,1804.43 1059.87,1804.43 1059.87,1803.68 1060.12,1803.68 1060.12,1800.67 1059.87,1800.67 1059.87,1799.67 1059.62,1799.67 1059.62,1798.92 1059.37,1798.92 1059.37,1798.67 1059.12,1798.67 1059.12,1798.17 1058.87,1798.17 1058.87,1797.92 1058.62,1797.92 1058.62,1797.67 1058.36,1797.67 1058.36,1797.41 1058.11,1797.41 1058.11,1797.16 1057.86,1797.16 1057.86,1796.91 1057.36,1796.91 1057.36,1796.66 1055.86,1796.66 1055.86,1796.91 1055.36,1796.91 1055.36,1797.16 1054.86,1797.16 1054.86,1797.41 1054.61,1797.41 1054.61,1797.67 1054.36,1797.67 1054.36,1797.92 1054.11,1797.92 1054.11,1798.42 1053.86,1798.42 1053.86,1798.67 1053.61,1798.67 1053.61,1799.42 1053.36,1799.42 1053.36,1799.92 1053.1,1799.92 1053.1,1801.17 1052.85,1801.17 1052.85,1802.93 1053.1,1802.93 1053.1,1803.43 1053.1,1803.68 1053.36,1803.68 1053.36,1804.18 1053.61,1804.18 1053.61,1804.68 1053.86,1804.68 1053.86,1805.18 1054.11,1805.18 1054.11,1805.68 1054.36,1805.68 1054.36,1806.18 1054.61,1806.18 1054.61,1806.43 1054.86,1806.43 1054.86,1806.93 1055.36,1806.93 1055.36,1807.18 1055.61,1807.18 1055.61,1807.43 1056.36,1807.43 1056.36,1807.68 1057.61,1807.68 hole: 1057.11,1805.43 1056.61,1805.43 1056.61,1805.18 1056.36,1805.18 1056.36,1804.93 1056.11,1804.93 1056.11,1804.68 1055.86,1804.68 1055.86,1804.43 1055.61,1804.43 1055.61,1803.68 1055.36,1803.68 1055.36,1802.93 1055.11,1802.93 1055.11,1801.92 1054.86,1801.92 1054.86,1800.92 1055.11,1800.92 1055.11,1800.17 1055.36,1800.17 1055.36,1799.42 1055.61,1799.42 1055.61,1798.92 1055.86,1798.92 1055.86,1798.67 1056.36,1798.67 1056.36,1798.42 1056.61,1798.42 1056.61,1798.67 1057.11,1798.67 1057.11,1799.17 1057.36,1799.17 1057.36,1799.42 1057.61,1799.42 1057.61,1799.67 1057.86,1799.67 1057.86,1800.42 1058.11,1800.42 1058.11,1800.92 1058.36,1800.92 1058.36,1802.93 1058.11,1802.93 1058.11,1803.68 1057.86,1803.68 1057.86,1804.43 1057.61,1804.43 1057.61,1804.93 1057.36,1804.93 1057.36,1805.18 1057.11,1805.18

## Silkscreen, mask and mechanical layers (free items; w line width, h text height)
Top Overlay:
  text "USB" at 670,3025.36 h40
Bottom Overlay:
  drawing of 66 lines, arcs and shapes, not listed
  text "INSTRUMENT DROID" at 1370.05,1510.63 h70
  text "ECEN5730 BRD4" at 1220,1460.36 h40
  text "Designed by" at 1180,1419.37 h30
  text "JITHENDRA H S" at 1230,1370.45 h50
Top Solder:
  drawing of 51 lines, arcs and shapes, not listed